# Altium PCB main_board.PcbDoc (part 2 of 2)
Units mil, origin at the board's own origin, x right, y up, seen from the top; angles counter-clockwise.
Board outline 8661.42 x 3543.31 mil, 2 copper layers (Top Layer, Bottom Layer); 75 components, 95 nets, 468 pads, 37 vias.
Unrouted connection lines stored in the file: 89.
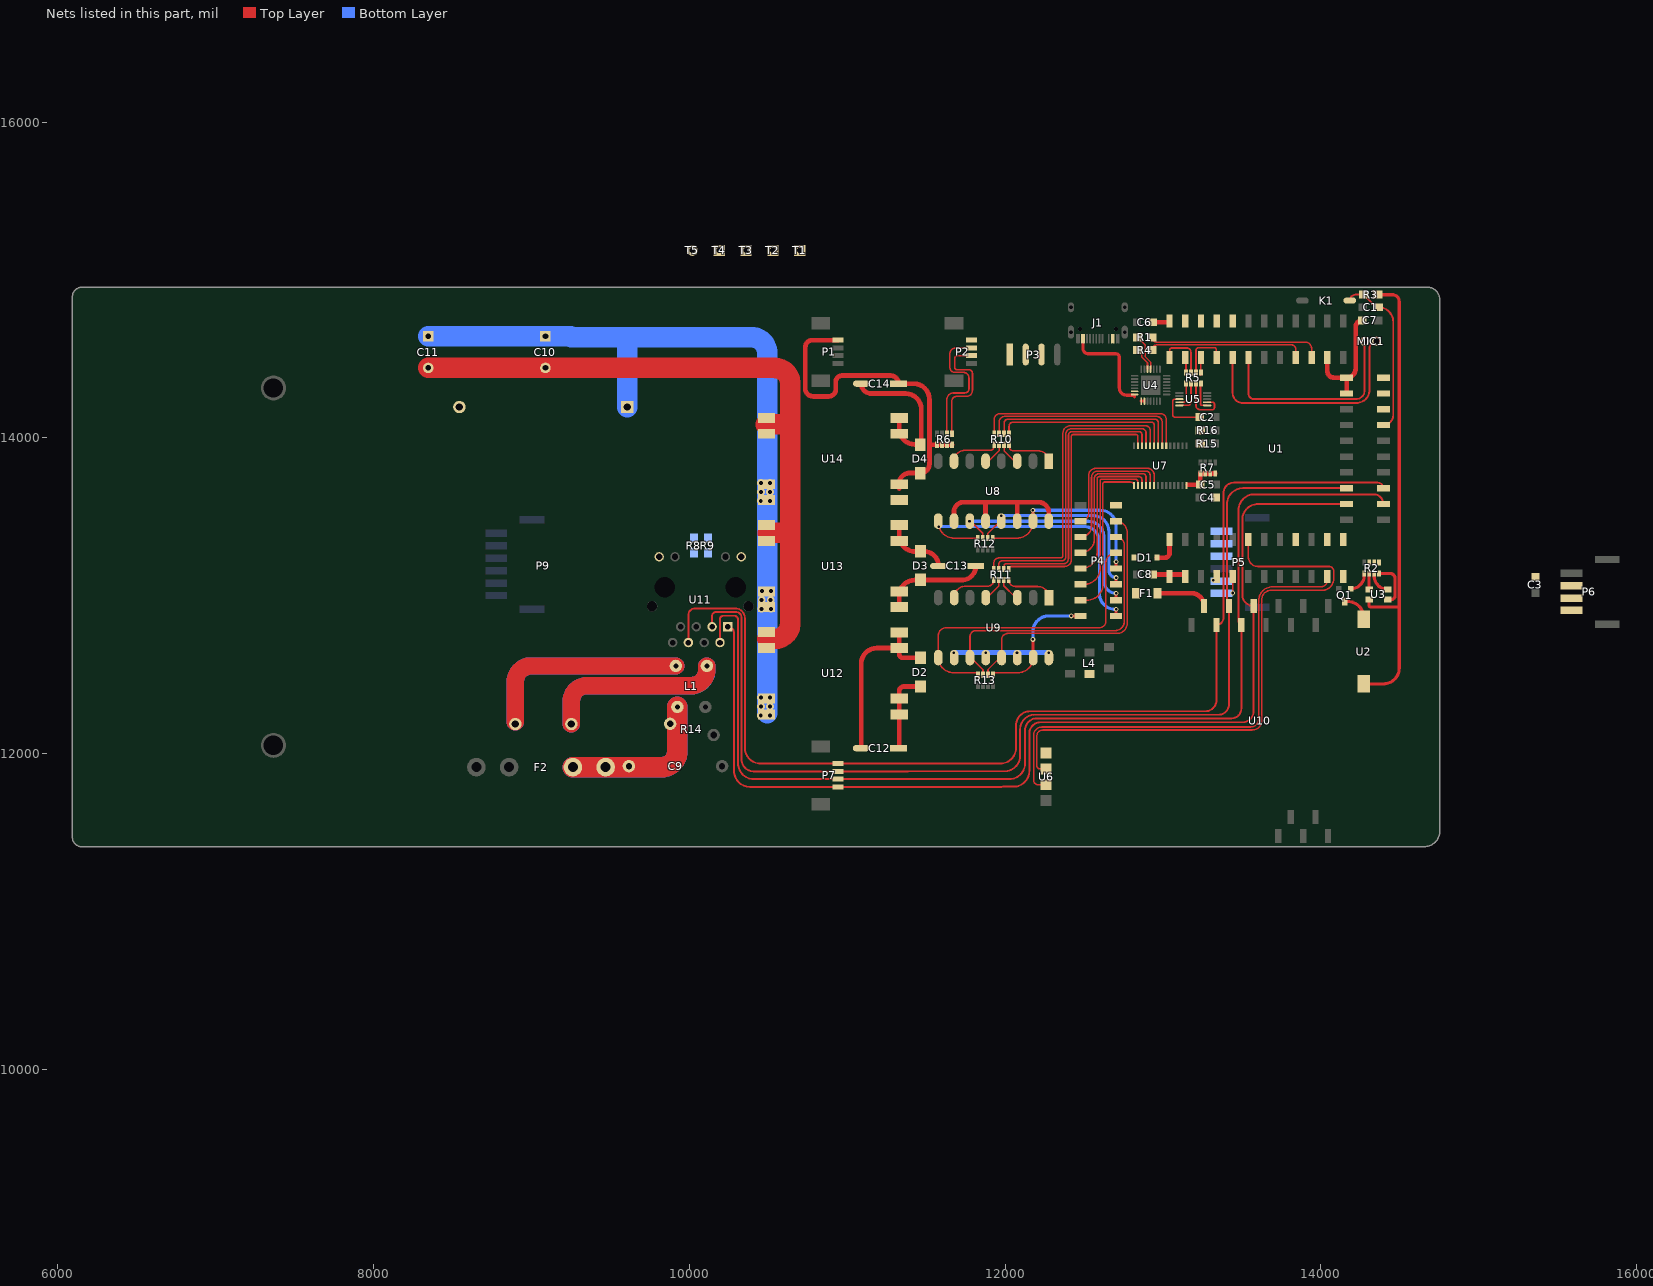
[diagram p2: the nets of this part, all layers, seen from the top]

## Via types
v1: diameter 50, hole 25, Top Layer to Bottom Layer, 21 vias
v2: diameter 30, hole 16, Top Layer to Bottom Layer, 16 vias

## Nets (pads, with @x,y where several pads share a name; then routed paths per layer and width w, separated by ;. In a path a pad name is that pad's centre, name@x,y a point inside that pad or via, vN(x,y) a via of type N, cw(c..) or ccw(c..) an arc to the next point about the centre after c; other vN are vias at no path point) (continued)
I2C2_SCL: P2.2 R6.6 U1.64 | length 868.6
  Top Layer w10: R6.6@11630.99,14027 11630.99,14245.72 cw(c11670.27,14245.72) 11670.27,14285 11744.05,14285 ccw(c11744.05,14311.95) 11771,14311.95 11771,14381 ccw(c11737,14381) 11737,14415 11682,14415 cw(c11682,14447) 11650,14447 11650,14534.06 cw(c11686.09,14534.06) 11686.09,14570.15 P2.2@11786.65,14570.15
I2C2_SDA: P2.3 R6.5 U1.66 | length 791.6
  Top Layer w10: R6.5@11662.49,14027 11662.49,14234.3 cw(c11691.19,14234.3) 11691.19,14263 11754.13,14263 ccw(c11754.13,14301.87) 11793,14301.87 11793,14409 ccw(c11769,14409) 11769,14433 11693,14433 cw(c11693,14445) 11681,14445 11681,14506.89 cw(c11695.04,14506.89) 11695.04,14520.94 P2.3@11786.65,14520.94
KEY(A7): C1.2 K1.1 R3.1 U1.62 | length 1071.8
  Top Layer w12: K1.1@14182.71,14870.2 cw(c14220,14870.2) 14220,14907.5 R3.1@14270.34,14907.5 14271.5,14907.5 14338,14841 14340,14841 C1.2@14353.42,14827.58 ; C1.2@14366.02,14827.58 cw(c14366.02,14735.59) 14458,14735.59 14458,14144.46 cw(c14395.33,14144.46) U1.62@14395.33,14081.8
  Top Layer w20: C1.2@14353.42,14827.58 C1.2@14366.02,14827.58
LEDB(C3): R2.7 U1.48
LEDG(C2): R2.6 U1.47
LEDR(C1): R2.5 U1.45
MICN: MIC1.2 U1.12 | length 1325.5
  Top Layer w12: U1.12@13540.87,14508.21 13540.87,14281 ccw(c13575.87,14281) 13575.87,14246 14221,14246 ccw(c14221,14301.63) 14276.63,14301.63 MIC1.2@14276.63,14612.45
MICP: MIC1.1 U1.10 | length 1507.1
  Top Layer w12: U1.10@13440.87,14508.21 13440.87,14284.64 ccw(c13503.51,14284.64) 13503.51,14222 14226,14222 ccw(c14226,14304) 14280.91,14243.1 ccw(c14226,14304) 14308,14304 14308,14568.03 cw(c14352.42,14568.03) MIC1.1@14352.42,14612.45
MOTOR0: P4.1 R12.8 U8.9 | length 1913.7
  Top Layer w10: U8.9@11576,13466 ccw(c11676,13466) 11676,13366 R12.8@11827,13366
  Top Layer w20: P4.1@12702.47,12872.7 v2(12702.47,12914.47)
  Bottom Layer w20: v2(11579,13439) 12501,13439 cw(c12501,13343) 12555.76,13421.85 cw(c12501,13343) 12597,13343 12597,13014.47 ccw(c12697,13014.47) 12697,12914.47 v2(12702.47,12914.47)
MOTOR1: P4.3 R12.7 U8.11 | length 1490.7
  Top Layer w10: U8.11@11782,13473 11858.5,13396.5 R12.7@11858.5,13366
  Top Layer w20: P4.3@12702.47,12972.7 v2(12702.47,13016.47)
  Bottom Layer w20: v2(11774,13472) 12526,13472 cw(c12526,13372) 12626,13372 12626,13092.94 ccw(c12702.47,13092.94) v2(12702.47,13016.47)
MOTOR2: P4.5 R12.6 U8.13 | length 1239.6
  Top Layer w10: R12.6@11889.99,13366 11889.99,13394.99 U8.13@11968,13473
  Top Layer w20: P4.5@12702.47,13072.7 v2(12702.47,13116)
  Bottom Layer w20: v2(11975,13508) 12557,13508 cw(c12557,13408) 12657,13408 12657,13161.47 ccw(c12702.47,13161.47) v2(12702.47,13116)
MOTOR3: P4.7 R12.5 U8.15 | length 1235
  Top Layer w10: R12.5@11921.49,13366 12076,13366 ccw(c12076,13466) U8.15@12176,13466
  Top Layer w20: v2@12175,13543 cw(c12175,13542) v2(12176,13542) U8.15@12176,13473 ; P4.7@12702.47,13172.7 v2(12702.47,13215.47)
  Bottom Layer w20: v2(12176,13542) 12602.47,13542 cw(c12602.47,13442) 12702.47,13442 v2(12702.47,13215.47)
MOTOR4: P4.9 R13.8 U9.9 | length 2036.1
  Top Layer w10: R13.8@11828,12500 ccw(c11815,12500) 11815,12513 11673,12513 cw(c11673,12609) U9.9@11577,12609 11577,12750.03 cw(c11624.97,12750.03) 11624.97,12798 12596,12798 ccw(c12596,12840) 12638,12840 12638,13208.23 cw(c12702.47,13208.23) P4.9@12702.47,13272.7
MOTOR5: P4.11 R13.7 U9.11 | length 1876.3
  Top Layer w10: R13.7@11859.5,12500 11859.5,12531.5 11782,12609 U9.11@11777,12609 11777,12742.25 cw(c11814.75,12742.25) 11814.75,12780 12696.17,12780 ccw(c12696.17,12838.83) 12755,12838.83 12755,13320.17 ccw(c12702.47,13320.17) P4.11@12702.47,13372.7
MOTOR6: P4.13 R13.6 U9.13 | length 1795
  Top Layer w10: R13.6@11890.99,12500 11890.99,12532.99 U9.13@11967,12609 ; U9.13@11977,12609 11977,12721.57 cw(c12017.43,12721.57) 12017.43,12762 12708.73,12762 ccw(c12708.73,12825.8) 12772.54,12825.8 12772.53,13402.63 ccw(c12702.47,13402.63) P4.13@12702.47,13472.7
MOTOR7: P4.2 R13.5 U9.15 | length 840.1
  Top Layer w10: R13.5@11922.49,12500 cw(c11935.49,12500) 11935.49,12513 12081,12513 ccw(c12081,12609) U9.15@12177,12609
  Top Layer w20: v2(12176,12724) cw(c12176,12723) 12177,12723 U9.15@12177,12609 ; v2(12419.3,12872.7) P4.2@12478.06,12872.7
  Bottom Layer w20: v2(12176,12724) 12176,12772.7 cw(c12276,12772.7) 12276,12872.7 v2(12419.3,12872.7)
NetC9_2: C9.2 F2.2 L1.1 R14.2 | length 1999.2
  Top Layer w130: F2.2@9261.97,11915 F2.2@9469.45,11915 9823.42,11915 ccw(c9823.42,12015) 9923.42,12015 L1.1@9923.42,12296.08
  Bottom Layer w130: F2.2@9261.97,11915 F2.2@9469.45,11915 9823.42,11915 ccw(c9823.42,12015) 9923.42,12015 L1.1@9923.42,12296.08
NetL1_2: L1.2 P9.1 | length 2656.3
  Top Layer w110: P9.1@8897.44,12201 8897.44,12455.92 cw(c8997.44,12455.92) 8997.44,12555.92 L1.2@9913.57,12555.92
  Bottom Layer w110: P9.1@8897.44,12201 8897.44,12455.92 cw(c8997.44,12455.92) 8997.44,12555.92 L1.2@9913.57,12555.92
NetL1_3: L1.3 P9.2 | length 2280.5
  Top Layer w110: P9.2@9251.77,12188.11 9251.77,12331 cw(c9351.77,12331) 9351.77,12431 10008.7,12431 ccw(c10008.7,12532.72) 10110.43,12532.72 L1.3@10110.43,12555.92
  Bottom Layer w110: P9.2@9251.77,12188.11 9251.77,12331 cw(c9351.77,12331) 9351.77,12431 10010.43,12431 ccw(c10010.43,12531) 10110.43,12531 L1.3@10110.43,12555.92
NetQ1_1: Q1.1 R2.1 | length 145.6
  Top Layer w20: Q1.1@14188.52,13044.16 ccw(c14188.52,13129.64) 14274,13129.64 R2.1@14274,13141
NetQ1_3: Q1.3 U2.2 | length 188.8
  Top Layer w20: Q1.3@14150.52,12964.16 14170.13,12964.16 cw(c14170.13,12864.16) 14270.13,12864.16 U2.2@14270.13,12852.04
NetR1_1: R1.1 U4.25 | length 235.4
  Top Layer w10: R1.1@12839.34,14637.5 12886,14590.84 12886,14516 12921.16,14480.84 U4.25@12921.16,14435.98
NetR2_2: R2.2 U3.1 | length 81.2
  Top Layer w20: U3.1@14305.5,13059.82 R2.2@14305.5,13141
NetR2_3: R2.3 U3.3 | length 149.9
  Top Layer w20: R2.3@14336.99,13141 14336.99,13126.16 ccw(c14422.97,13126.16) U3.3@14422.97,13040.18
NetR2_4: R2.4 U3.4 | length 289.2
  Top Layer w20: R2.4@14368.49,13141 14440.42,13141 cw(c14440.42,13112.42) 14469,13112.42 14469,12998 cw(c14448.19,12998) 14448.19,12977.19 U3.4@14422.97,12977.19
NetR4_1: R4.1 U4.26 | length 164.1
  Top Layer w10: R4.1@12839.34,14538.62 R4.1@12839.34,14556.5 12864,14531.84 12864,14513.96 12901.47,14476.49 U4.26@12901.47,14435.98
NetR5_5: R5.5 U5.9 | length 155.7
  Top Layer w10: U5.9@13103.8,14226.06 13130.06,14226.06 ccw(c13130.06,14243) 13143.79,14233.08 ccw(c13130.06,14243) 13147,14243 13147,14343.51 ccw(c13145.51,14343.51) R5.5@13145.51,14345
NetR5_6: R5.6 U5.10 | length 203
  Top Layer w10: U5.10@13103.8,14206.37 13156.37,14206.37 ccw(c13156.37,14227.01) 13177.01,14227.01 R5.6@13177.01,14345
NetR5_7: R5.7 U5.2 | length 355.4
  Top Layer w10: R5.7@13208.5,14345 13208.5,14205.5 ccw(c13235,14205.5) 13235,14179 13312,14179 ccw(c13312,14193) 13326,14193 13326,14215 ccw(c13314.94,14215) 13314.94,14226.06 U5.2@13279,14226.06
NetR5_8: R5.8 U5.1 | length 178.2
  Top Layer w10: R5.8@13240,14345 ccw(c13240,14342) 13237,14342 13237,14216 ccw(c13246.63,14216) 13246.63,14206.37 U5.1@13279,14206.37
NetR8_2: R8.2 U11.12
NetR9_2: R9.2 U11.9
NetR10_1: R10.1 U8.7 | length 317.7
  Top Layer w10: U8.7@11676,13853 cw(c11744,13853) 11744,13921 11904,13921 ccw(c11904,13947.01) 11930.01,13947.01 R10.1@11930.01,13957
NetR10_2: R10.2 U8.5 | length 150.5
  Top Layer w10: U8.5@11876,13853 11895,13853 11961.5,13919.5 R10.2@11961.5,13957
NetR10_3: R10.3 U8.3 | length 148.3
  Top Layer w10: R10.3@11993,13957 11993,13919 12059,13853 U8.3@12076,13853
NetR10_4: R10.4 U8.1 | length 314.9
  Top Layer w10: R10.4@12024.5,13957 12024.5,13947.5 ccw(c12054,13947.5) 12054,13918 12211,13918 cw(c12211,13853) U8.1@12276,13853
NetR11_5: R11.5 U9.7 | length 314.9
  Top Layer w10: U9.7@11677,12989 cw(c11749,12989) 11749,13061 11889.51,13061 ccw(c11889.51,13100) R11.5@11928.51,13100
NetR11_6: R11.6 U9.5 | length 151.2
  Top Layer w10: U9.5@11877,12989 11887,12989 11960.01,13062.01 R11.6@11960.01,13100
NetR11_7: R11.7 U9.3 | length 141.9
  Top Layer w10: R11.7@11991.5,13100 11991.5,13063.5 U9.3@12066,12989
NetR11_8: R11.8 U9.1 | length 317.4
  Top Layer w10: R11.8@12023,13100 ccw(c12064,13100) 12064,13059 12207,13059 cw(c12207,12989) U9.1@12277,12989
PGND: C10.2 C11.2 C12.2 C13.2 C14.2 D2.1 D3.1 D4.1 L4.2 P9.4 R16.2 T5.1 U12.1 U12.4 U13.1 U13.4 U14.1 U14.4 | length 7083.7
  Top Layer w30: C12.2@11087.89,12035 11087.89,12569.11 cw(c11187.89,12569.11) 11187.89,12669.11 U12.4@11328.5,12669.11 ; C14.2@11088.89,14344 ccw(c11151.89,14344) 11151.89,14281 11369,14281 cw(c11369,14181) 11469,14181 11469,13959 11428.5,13959 cw(c11428.5,14059) 11328.5,14059 U14.4@11328.5,14126.74 ; U12.4@11328.5,12769.11 U12.4@11328.5,12669.11 ; U13.4@11328.5,13347.93 11328.5,13381 ; U13.4@11328.5,13447.93 11328.5,13381 ; D3.1@11464,13282 11484.89,13282 cw(c11484.89,13189) C13.2@11577.89,13189 ccw(c11485.89,13189) 11485.89,13281 11428.5,13281 cw(c11428.5,13381) 11328.5,13381 ; D2.1@11469,12607 11353,12607 cw(c11353,12631.5) 11328.5,12631.5 U12.4@11328.5,12669.11
  Top Layer w130: C11.2@8345.2,14443.43 C10.2@9088.2,14443.43 10539,14443.43 cw(c10539,14343.43) 10639,14343.43 10639,14087 ; 10483,14083 cw(c10487,14083) 10487,14087 10639,14087 ; 10493,12727 10539,12727 ccw(c10539,12827) 10639,12827 10639,13400 ; 10496,13397 cw(c10499,13397) 10499,13400 10639,13400 ; 10639,13400 10639,14087
PLC_12V: F1.2 U10.11 | length 341.5
  Top Layer w30: F1.2@12964.5,13017 13178.78,13017 cw(c13178.78,12936) U10.11@13259.78,12936
PWM0: R10.8 U7.6 | length 1387.7
  Top Layer w10: R10.8@11930.01,14027 11930.01,14115.01 cw(c11969,14115.01) 11969,14154 12983.01,14154 cw(c12983.01,14117) 13020.01,14117 U7.6@13020.01,13950.72
PWM1: R10.7 U7.7 | length 1296.8
  Top Layer w10: R10.7@11961.5,14027 11961.5,14099.01 cw(c11999.49,14099.01) 11999.49,14137 12957,14137 cw(c12957,14099.58) 12994.42,14099.58 U7.7@12994.42,13950.72
PWM2: R10.6 U7.8 | length 1216
  Top Layer w10: R10.6@11993,14027 11993,14093 cw(c12019,14093) 12019,14119 12948,14119 cw(c12948,14098.18) 12968.82,14098.18 U7.8@12968.82,13950.72
PWM3: R10.5 U7.9 | length 1122.8
  Top Layer w10: R10.5@12024.5,14027 12024.5,14073.82 cw(c12050.68,14073.82) 12050.68,14100 12927,14100 cw(c12927,14083.77) 12943.23,14083.77 U7.9@12943.23,13950.72
PWM4: R11.4 U7.10 | length 1970.5
  Top Layer w10: R11.4@11928.51,13170 11928.51,13207.41 cw(c11961.1,13207.41) 11961.1,13240 11998.51,13240 12350.34,13240 ccw(c12350.34,13255.66) 12366,13255.66 12366,14030.92 cw(c12412.08,14030.92) 12412.08,14077 12891,14077 cw(c12891,14050.36) 12917.64,14050.36 U7.10@12917.64,13950.72
PWM5: R11.3 U7.11 | length 1886.2
  Top Layer w10: R11.3@11960.01,13170 11960.01,13199.68 cw(c11982.27,13199.68) 11982.27,13221.94 12358.61,13221.94 ccw(c12358.61,13246.9) 12383.57,13246.9 12383.57,14021.61 cw(c12419.96,14021.61) 12419.96,14058 12868,14058 cw(c12868,14033.95) 12891,14040.98 cw(c12868,14033.95) 12892.05,14033.95 U7.11@12892.05,13950.72 ; U7.11@12891,13945.65 U7.11@12891,13950.72
PWM6: R11.2 U7.12 | length 1786.5
  Top Layer w10: R11.2@11991.5,13181.5 ccw(c11991.5,13183.77) 11993.77,13183.77 11993.77,13191.11 cw(c12005.66,13191.11) 12005.66,13203 12024.5,13203 ; 12024.49,13202 ccw(c11991.5,13203) 12024.5,13203 ; U7.12@12866.46,13950.72 12866.46,14022.54 ccw(c12849,14022.54) 12849,14040 12424,14040 ccw(c12424,14017) 12401,14017 12401,13235.25 cw(c12368.75,13235.25) 12368.75,13203 12024.5,13203
PWM7: R11.1 U7.13 | length 1730.1
  Top Layer w10: 12038.48,13186 ccw(c12038.48,13170.52) R11.1@12023,13170.52 ; U7.13@12840.87,13950.72 12840.87,14009.13 ccw(c12828,14009.13) 12828,14022 12432.04,14022 ccw(c12432.04,14008.78) 12418.82,14008.78 12418.82,13227.59 cw(c12377.23,13227.59) 12377.23,13186 12039,13186 ccw(c12039,13170) R11.1@12023.01,13170.52 ; R11.1@12023.01,13170.52 ccw(c12039,13170) R11.1@12023,13170 R11.1@12023,13170.52
PWM8: P4.4 U7.15 | length 1050.2
  Top Layer w10: P4.4@12478.06,12972.7 12519,12972.7 ccw(c12519,13072.7) 12619,13072.7 12619,13709.1 cw(c12630.9,13709.1) 12630.9,13721 12793.04,13721 cw(c12793.04,13698.76) U7.15@12815.28,13698.76
PWM9: P4.6 U7.16 | length 1014.3
  Top Layer w10: P4.6@12478.06,13072.7 12501,13072.7 ccw(c12501,13172.7) 12601,13172.7 12601,13727.53 cw(c12612.47,13727.53) 12612.47,13739 12824,13739 cw(c12824,13722.13) 12840.87,13722.13 U7.16@12840.87,13698.76
PWM10: P4.8 U7.17 | length 970.4
  Top Layer w10: P4.8@12478.06,13172.7 12482,13172.7 ccw(c12482,13272.7) 12582,13272.7 12582,13740 cw(c12598,13740) 12598,13756 12846,13756 cw(c12846,13735.54) 12866.46,13735.54 U7.17@12866.46,13698.76
PWM11: P4.10 U7.18 | length 930.8
  Top Layer w10: P4.10@12478.06,13272.7 ccw(c12478.06,13359.64) 12565,13359.64 12565,13744.51 cw(c12593.49,13744.51) 12593.49,13773 12873,13773 cw(c12873,13753.95) 12892.05,13753.95 U7.18@12892.05,13698.76
PWM12: P4.12 U7.19 | length 891.3
  Top Layer w10: P4.12@12478.06,13372.7 ccw(c12478.06,13441.64) 12547,13441.64 12547,13750.98 cw(c12586.02,13750.98) 12586.02,13790 12898.23,13790 cw(c12891,13764.36) 12917.64,13764.36 U7.19@12917.64,13698.76
PWM13: P4.14 U7.20 | length 850.4
  Top Layer w10: P4.14@12478.06,13472.7 ccw(c12478.06,13523.64) 12529,13523.64 12529,13762.75 cw(c12573.25,13762.75) 12573.25,13807 12905,13807 cw(c12905,13768.77) 12943.23,13768.77 U7.20@12943.23,13698.76
RXIN: P7.1 U1.54 U10.10 U11.6 | length 7154.3
  Top Layer w12: U11.6@9993.65,12704.26 9993.65,12878.07 cw(c10035.57,12878.07) 10035.57,12920 10290.55,12920 cw(c10290.55,12859.55) 10351,12859.55 10351,12037.61 ccw(c10451,12037.61) 10451,11937.61 P7.1@10941.65,11937.61 11969,11937.61 ccw(c11969,12037.61) 12069,12037.61 12069,12180 cw(c12158,12180) 12158,12269 13268.65,12269 ccw(c13268.65,12338.87) 13338.52,12338.87 U10.10@13338.52,12816 ccw(c13338.52,12860.48) 13383,12860.48 13383,13652 cw(c13448,13652) 13448,13717 14360.13,13717 cw(c14360.13,13681.8) U1.54@14395.33,13681.8
RXIP: P7.2 U1.53 U10.9 U11.3 | length 6722.1
  Top Layer w12: U11.3@10143.65,12804.26 10143.65,12873.12 cw(c10168.53,12873.12) 10168.53,12898 10294.17,12898 cw(c10294.17,12862.17) 10330,12862.17 10330,11964 ccw(c10405.61,11964) 10405.61,11888.39 P7.2@10941.65,11888.39 11384.08,11888.39 ; 11390.66,11888.7 11995,11888.7 ccw(c11995,11988.7) 12095,11988.7 12095,12154 cw(c12188,12154) 12188,12247 13352.27,12247 ccw(c13352.27,12311.99) 13417.26,12311.99 U10.9@13417.26,12936 ; U10.9@13427.26,12936 cw(c13427.26,12958.26) 13405,12958.26 13405,13581.8 cw(c13505,13581.8) 13505,13681.8 U1.53@14163.05,13681.8
SPI1_CLK: R5.1 U1.6 | length 109.6
  Top Layer w10: R5.1@13240,14399 13240,14507.34 U1.6@13240.87,14508.21
SPI1_CS: R5.2 U1.8 | length 354.8
  Top Layer w10: R5.2@13208.5,14399 13208.5,14553.5 cw(c13227,14553.5) 13227,14572 13326,14572 cw(c13326,14562) 13336,14562 13336,14513.09 ccw(c13340.87,14513.09) U1.8@13340.87,14508.21
SPI1_MISO: R5.4 U1.4 | length 111.1
  Top Layer w10: U1.4@13140.87,14508.21 13145.51,14503.57 R5.4@13145.51,14399
SPI1_MOSI: R5.3 U1.2 | length 352.1
  Top Layer w10: U1.2@13040.87,14508.21 ccw(c13040.87,14510.34) 13043,14510.34 13043,14560 cw(c13053,14560) 13053,14570 13150,14570 cw(c13150,14542.99) 13177.01,14542.99 R5.3@13177.01,14399
SYS_3.3V: D1.1 U1.25 U1.41 U1.68 | length 182.9
  Top Layer w30: D1.1@12960.26,13242.06 13013.48,13242.06 ccw(c13013.48,13269.26) 13040.69,13269.26 U1.25@13040.69,13356.17
TXON: P7.3 U1.52 U10.8 U11.2 | length 7037.4
  Top Layer w12: U11.2@10193.65,12704.26 10193.65,12852.65 cw(c10215,12852.65) 10215,12874 10283.25,12874 cw(c10283.25,12849.25) 10308,12849.25 10308,11939.18 ccw(c10408,11939.18) 10408,11839.18 P7.3@10941.65,11839.18 12026,11839.18 ccw(c12026,11939.18) 12126,11939.18 12126,12149 cw(c12201,12149) 12201,12224 13433.51,12224 ccw(c13433.51,12286.49) 13496,12286.49 U10.8@13496,12816 ; U10.8@13478,12834 13478,13543 cw(c13578,13543) 13578,13643 14334.13,13643 cw(c14334.13,13581.8) U1.52@14395.33,13581.8
TXOP: P7.4 U1.51 U10.7 U11.1 | length 6630.3
  Top Layer w12: U11.1@10243.65,12804.26 cw(c10243.65,12764.91) 10283,12764.91 10283,11889.97 ccw(c10383,11889.97) 10383,11789.97 P7.4@10941.65,11789.97 11970,11789.97 ccw(c11970,11889.97) 11986.29,11791.3 12053,11791.3 ccw(c12053,11891.3) 12153,11891.3 12153,12128 cw(c12224,12128) 12224,12199 13502.42,12199 ccw(c13502.42,12270.36) 13573.78,12270.36 U10.7@13573.78,12935 cw(c13573.78,13006.78) 13502,13006.78 13502,13481.8 cw(c13602,13481.8) 13602,13581.8 U1.51@14163.05,13581.8
UART0_RXD: P3.2 R4.2 U1.18 | length 1000.2
  Top Layer w10: R4.2@12929.34,14556.5 cw(c12962.84,14556.5) 12962.84,14590 13812.41,14590 cw(c13812.41,14561.54) 13840.87,14561.54 U1.18@13840.87,14508.21
UART0_TXD: P3.3 R1.2 U1.20 | length 1110.5
  Top Layer w10: R1.2@12929.34,14637.5 ccw(c12959.84,14637.5) 12959.84,14607 13900.69,14607 cw(c13900.69,14566.82) 13940.87,14566.82 U1.20@13940.87,14508.21
UART1_RXD: P5.6 U1.34 | length 105.9
  Top Layer w10: v2(13440.69,13018) U1.34@13440.69,13123.88
UART1_TXD: P5.5 U1.32
  other v2: 13318,13099
UART2_RXD: U1.46 U6.4 | length 3147.4
  Top Layer w10: U6.4@12258.81,11803.91 12207.38,11803.91 cw(c12207.38,11831.28) 12180,11831.28 12180,11962.72 12180,12116.18 cw(c12232.82,12116.18) 12232.82,12169 13554.57,12169 ccw(c13554.57,12220.29) 13605.86,12220.29 13605.86,12970 cw(c13692.86,12970) 13692.86,13057 13998,13057 ccw(c13998,13099.69) 14038.5,13086.19 ccw(c13998,13099.69) 14040.69,13099.69 U1.46@14040.69,13123.88
UART2_TXD: U1.35 U6.3 | length 3786.3
  Top Layer w10: U6.3@12258.81,11903.91 12220.14,11903.91 cw(c12220.14,11924.05) 12200,11924.05 12200,12110.75 cw(c12239.25,12110.75) 12239.25,12150 13565.34,12150 ccw(c13565.34,12209.66) 13625,12209.66 13625,12976 cw(c13684,12976) 13684,13035 14008,13035 ccw(c14008,13108) 14081,13108 14081,13156 ccw(c14051,13156) 14051,13186 13600,13186 cw(c13600,13245.31) 13540.69,13245.31 U1.35@13540.69,13356.17
USB_DM1: P6.2 U1.5
USB_DM2: P5.2 U1.9
USB_DP1: P6.3 U1.3
USB_DP2: P5.3 U1.7
VDD_3.3V: C2.1 C5.2 C14.1 D1.2 D4.2 P1.1 P2.1 R3.2 R6.1 R6.2 R6.3 R6.4 R7.5 R7.6 R7.7 R7.8 T4.1 U2.1 U3.2 U4.6 U5.8 U6.2 U7.28 U8.10 U8.12 U8.14 U8.16 U9.10 U9.12 U9.14 U9.16 U14.3 | length 7525.8
  Top Layer w10: U5.8@13103.8,14245.74 13075.74,14245.74 ccw(c13075.74,14231) 13061,14231 13061,14147 ccw(c13077,14147) 13077,14131 13230.44,14131 ccw(c13230.44,14132.58) C2.1@13232.02,14132.58
  Top Layer w20: U2.1@14270.13,12442.59 14396,12442.59 ccw(c14396,12542.59) 14496,12542.59 14496,14864 ccw(c14452.5,14864) 14452.5,14907.5 R3.2@14360.34,14907.5 ; U3.2@14304.86,12977.19 14304.86,12941.14 ccw(c14317,12941.14) 14317,12929 14485,12929 ccw(c14485,12933) 14489,12933
  Top Layer w30: P1.1@10941.65,14619.36 10778.45,14619.36 ccw(c10778.45,14574.91) 10734,14574.91 10734,14312.66 ccw(c10783.66,14312.66) 10783.66,14263 10882,14263 ccw(c10882,14308) 10927,14308 10927,14355 cw(c10967,14355) 10967,14395 11274.11,14395 cw(c11274.11,14344) C14.1@11325.11,14344 11420,14344 cw(c11420,14244) 11520,14244 11520,13834.9 cw(c11462,13834.9) D4.2@11473.77,13778.1 ; U14.3@11328.5,13677.9 11328.5,13710.76 cw(c11395.64,13710.76) 11395.64,13777.9 11469,13777.9 ccw(c11469,13833.17) D4.2@11473.77,13778.1 ; D4.2@11462,13776.9 ccw(c11462,13834.9) D4.2@11473.77,13778.1 ; 11528,13957 R6.1@11568,13957 R6.2@11599.5,13957 R6.3@11630.99,13957 R6.4@11662.49,13957 ; U8.10@11676,13473 11676,13533.09 cw(c11735.91,13533.09) 11735.91,13593 11878,13593 ; U8.12@11876,13473 11876,13591 cw(c11878,13591) 11878,13593 ; U8.14@12076,13473 12076,13592 ccw(c12075,13592) 12075,13593 ; U8.16@12276,13473 12276,13527.54 ccw(c12210.54,13527.54) 12210.54,13593 12075,13593 ; 13157,13704.42 C5.2@13234.98,13704.42 13234.98,13773.47 cw(c13236.51,13773.47) R7.5@13236.51,13775 R7.6@13268.01,13775 R7.7@13299.5,13775 R7.8@13331,13775 ; 11878,13593 12075,13593
  Bottom Layer w30: v2(11675,12641) v2(11876,12641) v2(12075,12641) v2(12276,12641)
VDD_5.0V: C3.1 C4.1 C6.2 C7.2 C8.2 C13.1 D3.2 J1.A4 J1.A9 J1.B4 J1.B9 P3.1 P4.15 P5.1 P6.1 R8.1 R9.1 T3.1 U1.1 U1.22 U1.26 U1.28 U1.65 U1.67 U4.7 U4.8 U4.9 U13.3 | length 2400.6
  Top Layer w20: J1.B4@12493,14626.87 cw(c12495.29,14626.87) 12495.29,14629.16 ccw(c12495.29,14625.87) 12492,14625.87 12492,14568.7 ccw(c12527.7,14568.7) 12527.7,14533 12702,14533 cw(c12702,14512) 12723,14512 12723,14317 ccw(c12769,14317) 12769,14271 12808.68,14271 cw(c12808.68,14260) 12819.68,14260 ; U4.8@12862.1,14233.03 U4.9@12878.96,14233.03
  Top Layer w30: U13.3@11328.5,12927.93 U13.3@11328.5,12999.9 ; U13.3@11328.5,13027.93 U13.3@11328.5,12999.9 ; 11428.5,13099.9 ccw(c11428.5,12999.9) U13.3@11328.5,12999.9 ; D3.2@11464,13100.9 ccw(c11465,13100.9) 11465,13099.9 11725.01,13099.9 ccw(c11725.01,13189) C13.1@11814.11,13189 ; C6.2@12935.02,14732.58 13032.96,14732.58 ccw(c13032.96,14740.5) U1.1@13040.87,14740.5 ; C8.2@12936.02,13135.58 13128.99,13135.58 cw(c13128.99,13123.88) U1.28@13140.69,13123.88 ; U1.22@14040.87,14508.21 14040.87,14423.29 ccw(c14082.37,14423.29) 14082.37,14381.8 U1.67@14163.05,14381.8 ; U1.65@14163.05,14281.8 U1.67@14163.05,14381.8 ; C7.2@14261.98,14744.42 ccw(c14261.98,14702.44) 14220,14702.44 14220,14438.75 cw(c14163.05,14438.75) U1.67@14163.05,14381.8
VDD_12.0V: C12.1 D2.2 F1.1 T2.1 U12.3 | length 520.8
  Top Layer w30: C12.1@11324.11,12035 ccw(c11324.11,12039.39) 11328.5,12039.39 U12.3@11328.5,12249.11 U12.3@11328.5,12349.11 11328.5,12395.4 cw(c11359,12395.4) 11359,12425.9 D2.2@11469,12425.9
VDD_24.0V: C10.1 C11.1 P9.3 R15.1 T1.1 U12.2 U13.2 U14.2 | length 4934.2
  Bottom Layer w130: C11.1@8345.2,14643.43 C10.1@9088.2,14643.43 9245.57,14643.43 cw(c9245.57,14638) 9251,14638 9610,14638 ; P9.3@9606.1,14195.98 9606.1,14634.1 cw(c9610,14634.1) 9610,14638 ; v1@10493,12256 10493,14538 ccw(c10393,14538) 10393,14638 9610,14638
  other v1: 10452,12243 10511,12243 10453,12299 10510,12299.5 10454,12355 10511,12356 10457,12918 10516,12918 10458,12974 10515,12974.5 10459,13030 10516,13031 10452,13602 10511,13602 10453,13658 10510,13658.5 10454,13714 10511,13715
pads on no net: J1.0 J1.A5 J1.A8 J1.B5 J1.B8 L3.1 P1.0 P2.0 P5.0 P6.0 P7.0 P8.0 P10.0 P11.0 R7.1 U1.11 U1.13 U1.14 U1.16 U1.19 U1.21 U1.36 U1.37 U1.38 U1.39 U1.40 U1.42 U1.44 U1.55 U1.56 U1.57 U1.58 U1.61 U1.63 U4.1 U4.2 U4.10 U4.11 U4.12 U4.13 U4.14 U4.15 U4.16 U4.17 U4.18 U4.19 U4.20 U4.21 U4.22 U4.23 U4.24 U4.27 U4.28 U5.6 U5.7 U7.21 U7.22 U10.0 U10.2 U10.3 U10.4 U10.5 U10.6 U10.14 U10.15 U11.4 U11.5 U11.7 U11.MH3

## Keep-outs
Keep-Out Layer:
  circle w10: c11608.7,14853.72 r59.06
  circle w10: c8859.18,14853.72 r59.06
  circle w10: c8859.18,11532.72 r59.06
  circle w10: c14634.92,12277.17 r59.06
  circle w10: c14634.92,14088.19 r59.06
  circle w10: c6209.72,14088.19 r59.06
  circle w10: c6209.72,12277.17 r59.06
  lines w10: 6308.57,9413.36 7549.13,9413.36 cw(c7549.13,9362.58) 7599.91,9362.58 7599.91,8987.84 cw(c7552.99,8987.84) 7552.99,8940.92 6304.29,8940.92 cw(c6304.29,8983.88) 6261.33,8983.88 6261.33,9362.18 cw(c6312.51,9362.18) 6312.51,9413.36 ; 6817.18,13053.51 cw(c6817.18,13002.33) 6868.36,13002.33 6868.36,11726.34 cw(c6817.58,11726.34) 6817.58,11675.56 6457.56,11675.56 cw(c6457.56,11737.2) 6395.92,11737.2 6395.92,13013.72 cw(c6435.71,13013.72) 6435.71,13053.51 6821.12,13053.51 ; 6868.36,14634.49 ccw(c6817.18,14634.49) 6817.18,14685.67 6438.88,14685.67 ccw(c6438.88,14642.71) 6395.92,14642.71 6395.92,13394.01 ccw(c6442.84,13394.01) 6442.84,13347.09 6817.58,13347.09 ccw(c6817.58,13397.87) 6868.36,13397.87 6868.36,14638.43 ; 7893.49,9362.18 cw(c7944.67,9362.18) 7944.67,9413.36 9220.66,9413.36 cw(c9220.66,9362.58) 9271.44,9362.58 9271.44,9002.56 cw(c9209.8,9002.56) 9209.8,8940.92 7933.28,8940.92 cw(c7933.28,8980.71) 7893.49,8980.71 7893.49,9366.12 ; 7935,12811.32 8285.66,12811.32 cw(c8285.66,12776.92) 8320.06,12776.92 ; 7935.64,12811.32 ccw(c7935.64,12774.32) 7898.64,12774.32 7898.64,12117.55 ccw(c7935.05,12117.55) 7935.05,12081.13 8287.06,12081.13 ccw(c8287.06,12114.13) 8320.06,12114.13 8320.06,12777.52 ; 7951.18,11468.19 cw(c8016.07,11468.19) 8016.07,11533.07 8357.56,11533.07 cw(c8357.56,11468.19) 8422.44,11468.19 ; 7987.76,14896.81 ccw(c8052.64,14896.81) 8052.64,14831.93 8394.13,14831.93 ccw(c8394.13,14896.81) 8459.02,14896.81 ; 8284.48,13569.09 ccw(c8284.48,13606.09) 8321.49,13606.09 8321.49,14242.86 ccw(c8285.07,14242.86) 8285.07,14279.28 7933.06,14279.28 ccw(c7933.06,14246.28) 7900.06,14246.28 7900.06,13603.49 ccw(c7934.47,13603.49) 7934.47,13569.09 8285.13,13569.09 ; 10405.54,13803.36 ccw(c10368.54,13803.36) 10368.54,13840.36 9761.77,13840.36 ccw(c9761.77,13803.95) 9725.35,13803.95 9725.35,13451.94 ccw(c9758.35,13451.94) 9758.35,13418.94 10371.14,13418.94 ccw(c10371.14,13453.34) 10405.54,13453.34 10405.54,13804 ; 6091.61,11470.08 ccw(c6150.67,11470.08) 6150.67,11411.02 14654.61,11411.02 ccw(c14654.61,11509.45) 14753.03,11509.45 14753.03,14875.59 ccw(c14674.29,14875.59) 14674.29,14954.33 6150.67,14954.33 ccw(c6150.67,14895.28) 6091.61,14895.28 6091.61,11470.08

## Other copper
Top Layer:
  region net VDD_24.0V: 10542,13739 10433,13739 10433,13574 10542,13574
  region net VDD_24.0V: 10547,13055 10438,13055 10438,12890 10547,12890
  region net VDD_24.0V: 10542,12380 10433,12380 10433,12215 10542,12215
  region net VDD_3.3V: 11384,13732 11274,13732 11274,13577 11384,13577
  text "传承创新" at 6183.53,14814.54 h150 r270
  text "自强不息" at 6174.53,12107.54 h150 r270
Bottom Layer:
  region net GND_IN: 8847,13264 8706,13264 8706,13139 8847,13139
  region net +DC310V: 8847,13421 8704,13421 8704,13293 8847,13293

## Silkscreen, mask and mechanical layers (free items; w line width, h text height)
Top Overlay:
  circle w60: c11388,16315 r40
  circle w40: c11028,16175 r20
  region: 10968,16495 10888,16495 10888,16415 10968,16415
  lines w10: 6327.83,11411.02 6327.83,14954.33 ; 10788,16316 10810,16334 10808,16315 10779,16321 10811,16297 10819,16339 10769,16316 10819,16290 10819,16346 10760,16316 10828,16282 ; 14516.81,11411.02 14516.81,14954.33 ; 14547.72,13211.69 14744.57,13211.69 ; 10748,16315 10828,16275 10828,16355 10748,16315
  lines w25: 10808,16315 11048,16315 11388,16315 11338,16315 ccw(c11338,16194.29) 11252.64,16279.64 11162.14,16189.14 cw(c11128,16223.28) 11128,16175 11048,16175 ; 10948,16455 11028,16455 cw(c11028,16406.72) 11062.14,16440.86 11152.65,16350.35 ccw(c11238,16435.71) 11238,16315 11268,16315 ; 11068,16175 11078,16175 ; 11218,16315 11288,16315
Top Solder:
  text "传承创新" at 6184.53,14815.54 h150 r270
  text "自强不息" at 6173.53,12107.54 h150 r270
Bottom Solder:
  lines w10: 7887.35,11410.69 ccw(c7890.52,11471.36) 7951.18,11468.19 ; 7928.18,14954.31 7927.85,14953.98 cw(c7929.22,14895.44) 7987.76,14896.81 ; 8422.44,11468.19 ccw(c8480.97,11469.56) 8482.35,11411.02 8482.02,11410.69 ; 8459.02,14896.81 cw(c8519.68,14893.64) 8522.85,14954.31
  lines w130: 8650.55,11915 8557.99,11915 cw(c8557.99,12046.99) 8426,12046.99 8426,13227.82 cw(c8554.18,13227.82) 8554.18,13356 8787,13356 ; 8774,13204 8610,13204 ccw(c8610,13184) 8590,13184 8590,12154 ccw(c8678,12154) 8678,12066 8961,12066 cw(c8961,11966) 9061,11966 9061,11788 ccw(c9154,11788) 9154,11695 10000.58,11695 ccw(c10000.58,11795) 10100.58,11795 ; 10100.58,11796 10100.58,11922 ; 10100.58,12297.08 10100.58,11922 ; 10207.28,11922 10100.58,11922

## Text inside footprints (layer, text, board x,y; h text height)
LOGO1: Bottom Overlay "1918" at 15044.1,13629.18 h50
MIC1: Top Overlay "+" at 14331.75,14567.17 h60 r270
P9: Top Overlay "-V0" at 8558.86,14090.34 h40 r90; Top Overlay "+V0" at 9621.85,14080.83 h40 r90; Top Overlay "AC" at 9262.6,12242.24 h40 r90; Top Overlay "AC" at 8911.22,12242.24 h40 r90; Top Overlay "~" at 9186.81,12145.79 h393.7 r90; Top Overlay "-" at 9167.35,14124.13 h472.44 r90
U2: Top Overlay "+" at 14296,12513 h78.74 r90
U6: Top Overlay "Y" at 12556.11,11963.17 h35; Top Overlay "X" at 12628.11,11904.17 h35 r180; Top Overlay "Z" at 12509.8,11780.02 h35 r180; Top Overlay "VCC" at 12318.81,11984.91 h35; Top Overlay "GND" at 12318.81,11684.91 h35; Top Overlay "RX" at 12328.81,11884.91 h35; Top Overlay "TX" at 12328.81,11784.91 h35; Top Overlay "D0" at 12318.81,12084.91 h35; Top Overlay "D1" at 12328.81,11584.91 h35
U10: Top Overlay "NC" at 13874.79,11721.29 h55 r270; Top Overlay "NC" at 13951.79,11722.29 h55 r270; Top Overlay "AC/L" at 13712.79,11758.29 h55 r270; Top Overlay "AC/N" at 14035.79,11769.29 h55 r270; Top Overlay "GND" at 13166.79,12753.29 h60 r270; Top Overlay "12V" at 13245.23,12753.35 h60 r270; Top Overlay "RXN" at 13320.3,12757.28 h60 r270; Top Overlay "RXP" at 13399.3,12757.28 h60 r270; Top Overlay "TXN" at 13478.3,12757.23 h60 r270; Top Overlay "TXP" at 13557.3,12757.23 h60 r270; Top Overlay "3.3V" at 13636.85,12757.28 h60 r270; Top Overlay "PWR" at 13715.3,12757.28 h60 r270; Top Overlay "PLC" at 13794.85,12757.28 h60 r270; Top Overlay "ETH" at 13873.3,12757.28 h60 r270; Top Overlay "RST" at 13952.85,12757.28 h60 r270; Top Overlay "GND" at 14035.79,12753.29 h60 r270; Top Overlay "NC" at 13792.79,11722.29 h55 r270
U12: Top Overlay "Vi-" at 10657.68,12694.27 h78.74; Top Overlay "Vi+" at 10657.68,12274.27 h78.74; Top Overlay "Vo-" at 11046.68,12690.27 h78.74; Top Overlay "Vo+" at 11041.76,12271.27 h78.74
U13: Top Overlay "Vi-" at 10657.68,13373.08 h78.74; Top Overlay "Vi+" at 10657.68,12953.08 h78.74; Top Overlay "Vo-" at 11046.68,13369.08 h78.74; Top Overlay "Vo+" at 11041.76,12950.08 h78.74
U14: Top Overlay "Vi-" at 10657.68,14051.9 h78.74; Top Overlay "Vi+" at 10657.68,13631.9 h78.74; Top Overlay "Vo-" at 11046.68,14047.9 h78.74; Top Overlay "Vo+" at 11041.76,13628.9 h78.74